# KiCad board nixie.kicad_pcb (continued)
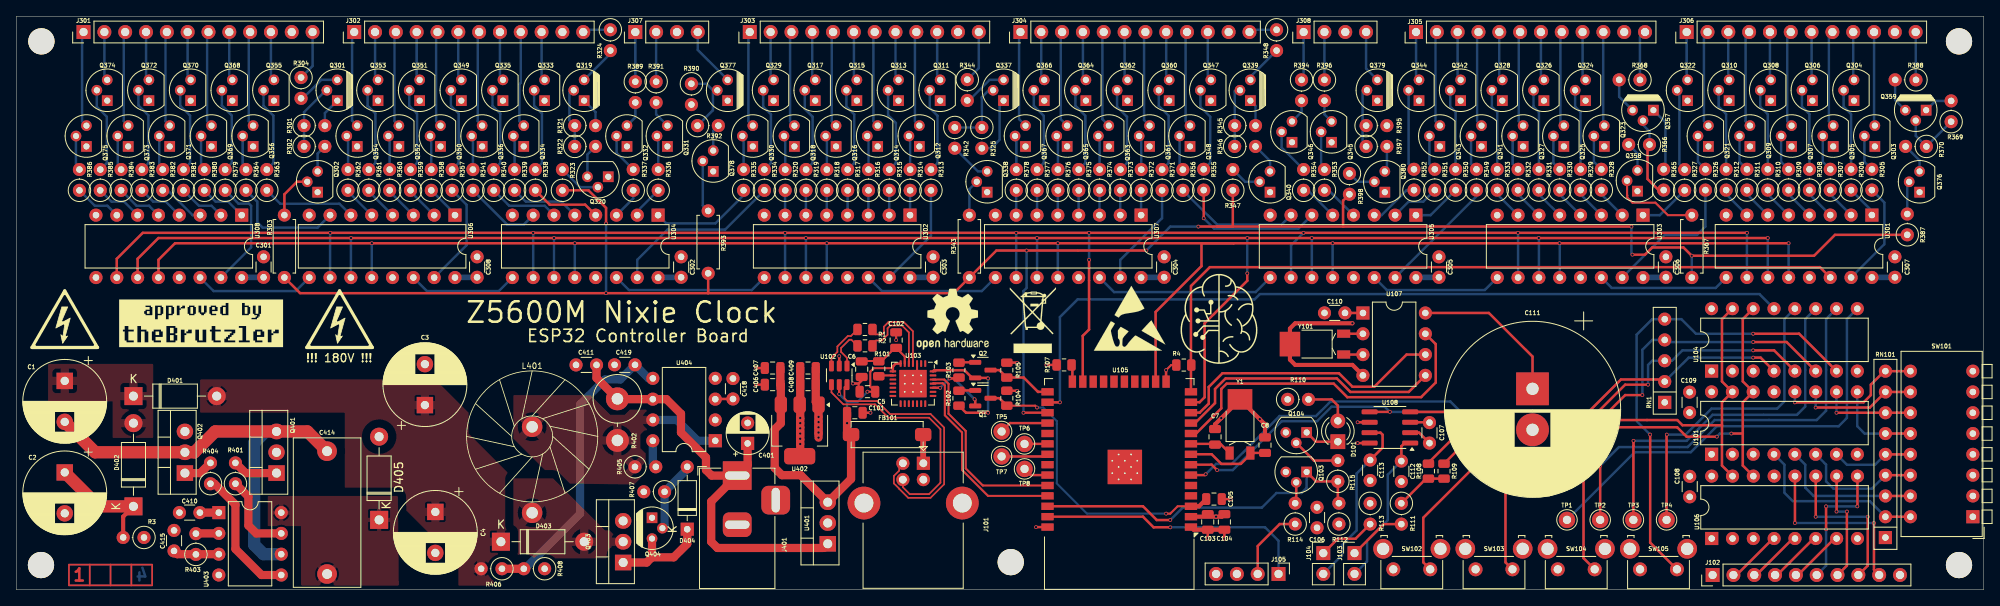
[diagram p0: board, top side]
## Library data of the parts
C1-C4 C401 = -: Description: Polarized capacitor; ki_fp_filters: CP_*
C5-C8 C101-C110 C112 C113 C406-C409 = -: ki_fp_filters: C_*
C111 = -: Datasheet: https://www.reichelt.de/superkondensator-coin-type-1-0-f-3-6-v-1000-h-ko-dclt3r6105cf-p244458.html?&trstct=pol_5&nbc=1; Description: Polarized capacitor; ki_fp_filters: CP_*
C301-C308 C410 C411 C414 C415 C418 C419 = -: Description: Unpolarized capacitor; ki_fp_filters: C_*
D101 = -: Description: Light emitting diode; ki_fp_filters: LED* LED_SMD:* LED_THT:*
D401-D403 D405 = -: Datasheet: http://www.vishay.com/docs/88503/1n4001.pdf; Description: 1000V 1A General Purpose Rectifier Diode, DO-41; Sim.Device: D; Sim.Pins: 1=K 2=A; ki_fp_filters: D*DO?41*
D404 = -: Datasheet: https://assets.nexperia.com/documents/data-sheet/1N4148_1N4448.pdf; Description: 100V 0.15A standard switching diode, DO-35; Sim.Device: D; Sim.Pins: 1=K 2=A; ki_fp_filters: D*DO?35*
FB101 = -: ki_fp_filters: Inductor_* L_* *Ferrite*
J101 = -: ki_fp_filters: USB*
J102 = -: Description: Generic connector, single row, 01x10, script generated (kicad-library-utils/schlib/autogen/connector/); ki_fp_filters: Connector*:*_1x??_*
J103 J104 = -: Description: Generic connector, single row, 01x02, script generated (kicad-library-utils/schlib/autogen/connector/); ki_fp_filters: Connector*:*_1x??_*
J105 = -: ki_fp_filters: Connector*:*_1x??_*
J301-J306 = -: Description: Generic connector, single row, 01x12, script generated (kicad-library-utils/schlib/autogen/connector/); ki_fp_filters: Connector*:*_1x??_*
J307 J308 = -: Description: Generic connector, single row, 01x04, script generated (kicad-library-utils/schlib/autogen/connector/); ki_fp_filters: Connector*:*_1x??_*
J401 = -: Description: DC Barrel Jack; ki_fp_filters: BarrelJack*
L401 = -: Description: Inductor; ki_fp_filters: Choke_* *Coil* Inductor_* L_*
Q1 Q2 = -: Datasheet: https://assets.nexperia.com/documents/data-sheet/BC846_SER.pdf; Description: 0.1A Ic, 65V Vce, NPN Transistor, SOT-23; ki_fp_filters: SOT?23*
Q103 Q104 = -: Datasheet: https://www.onsemi.com/pub/Collateral/BC550-D.pdf; Description: 0.1A Ic, 65V Vce, Small Signal NPN Transistor, TO-92; ki_fp_filters: TO?92*
Q301 Q319 Q337 Q339 Q357 Q359 Q377 Q379 = -: Datasheet: http://www.onsemi.com/pub_link/Collateral/MPSA92-D.PDF; Description: 0.5A Ic, 300V Vce, PNP High Voltage Transistor, TO-92; ki_fp_filters: TO?92*
Q302-Q318 Q320-Q336 Q338 Q340-Q356 Q358 Q360-Q376 Q378 Q380 = -: Datasheet: http://www.onsemi.com/pub_link/Collateral/MPSA42-D.PDF; Description: 0.5A Ic, 300V Vce, NPN High Voltage Transistor, TO-92; ki_fp_filters: TO?92*
Q401-Q403 = -: Datasheet: http://www.vishay.com/docs/91054/91054.pdf; Description: 10A Id, 400V Vds, N-Channel Power MOSFET, 500mOhm Rds, TO-220AB; ki_fp_filters: TO?220*
Q404 = -: Datasheet: https://www.onsemi.com/pub/Collateral/BC556BTA-D.pdf; Description: 0.1A Ic, 65V Vce, PNP Small Signal Transistor, TO-92; ki_fp_filters: TO?92*
R1 R2 R4 R101-R105 R107-R115 = -: ki_fp_filters: R_*
R3 R301-R398 R401-R408 = -: Description: Resistor; ki_fp_filters: R_*
RN1 = -: Datasheet: http://www.vishay.com/docs/31509/csc.pdf; Description: 4 resistor network, star topology, bussed resistors, small symbol; ki_fp_filters: R?Array?SIP*
RN101 = -: Datasheet: http://www.vishay.com/docs/31509/csc.pdf; Description: 8 resistor network, star topology, bussed resistors, small symbol; ki_fp_filters: R?Array?SIP*
SW101 = -: Description: 8x DIP Switch, Single Pole Single Throw (SPST) switch, small symbol; ki_fp_filters: SW?DIP?x8*
SW102-SW105 = -: Description: Single Pole Single Throw (SPST) switch
TP1-TP8 = -: Description: test point; ki_fp_filters: Pin* Test*
U101 U104 U106 = -: Datasheet: http://www.nxp.com/docs/en/data-sheet/PCF8574_PCF8574A.pdf; Description: 8 Bit Port/Expander to I2C Bus, DIP/SOIC-16; ki_fp_filters: DIP*W7.62mm* SOIC*7.5x10.3mm*P1.27mm*
U102 = -: Datasheet: https://www.st.com/resource/en/datasheet/usblc6-2.pdf; ki_fp_filters: SOT?23*
U103 = -: Datasheet: https://www.silabs.com/documents/public/data-sheets/cp2102n-datasheet.pdf; ki_fp_filters: QFN*1EP*5x5mm*P0.5mm*
U105 = -: Datasheet: https://www.espressif.com/sites/default/files/documentation/esp32-wroom-32_datasheet_en.pdf; ki_fp_filters: ESP32?WROOM?32*
U107 = -: Datasheet: https://datasheets.maximintegrated.com/en/ds/DS1302.pdf; Description: Trickle-Charge Timekeeping Chip, 2.0V to 5.5V VCC, 0°C to +70°C, DIP-8; ki_fp_filters: DIP*W7.62mm*
U108 = -: Datasheet: http://ww1.microchip.com/downloads/en/DeviceDoc/22226a.pdf; Description: 16-Bit, Multi-Channel ΔΣ Analog-to-Digital Converter with I2C Interface and On-Board Reference, SOIC-8; ki_fp_filters: SOIC*3.9x4.9mm*P1.27mm*
U301-U308 = -: Datasheet: http://www.ti.com/lit/ds/symlink/sn74hc595.pdf; Description: 8-bit serial in/out Shift Register 3-State Outputs; ki_fp_filters: DIP*W7.62mm* SOIC*3.9x9.9mm*P1.27mm* TSSOP*4.4x5mm*P0.65mm* SOIC*5.3x10.2mm*P1.27mm* SOIC*7.5x10.3mm*P1.27mm*
U401 = -: Datasheet: http://www.st.com/content/ccc/resource/technical/document/datasheet/41/4f/b3/b0/12/d4/47/88/CD00000444.pdf/files/CD00000444.pdf/jcr:content/translations/en.CD00000444.pdf; ki_fp_filters: TO?252* TO?263* TO?220*
U402 = -: Datasheet: http://www.advanced-monolithic.com/pdf/ds1117.pdf; ki_fp_filters: SOT?223*TabPin2*
U403 = -: Datasheet: https://www.infineon.com/dgdl/ir2153.pdf?fileId=5546d462533600a4015355c8c5fc16af; Description: Self-Oscillating Half-Bridge Driver, 600V, PDIP-8/SOIC-8; ki_fp_filters: SOIC*3.9x4.9mm*P1.27mm* DIP*W7.62mm*
U404 = -: Datasheet: http://www.onsemi.com/pub_link/Collateral/MC34063A-D.PDF; Description: 1.5A, step-up/down/inverting switching regulator, 3-40V Vin, 100kHz, DIP-8; ki_fp_filters: DIP*W7.62mm*
Y1 Y101 = -: Description: Three pin crystal, GND on pin 3; ki_fp_filters: Crystal*

## Footprints (pads in the part's own frame, mm; a bottom-side part is the same pattern mirrored in y, then rotated)
BarrelJack_Horizontal
  rect 3.5x3.5 hole 1x3: 1(0,0)
  rrect 3x3.5 hole 1x3: 2(-6,0)
  rrect 3.5x3.5 hole 3x1: 3(-3,-4.7)
C_0805_2012Metric
  rrect 1x1.45 smd: 1(-0.95,0) 2(0.95,0)
C_Disc_D3.0mm_W1.6mm_P2.50mm
  round 1.6 hole 0.8: 1(0,0) 2(2.5,0)
C_Rect_L18.0mm_W8.0mm_P15.00mm_FKS3_FKP3
  round 2.4 hole 1.2: 1(0,0) 2(15,0)
CP_Radial_D5.0mm_P2.50mm
  rect 1.6x1.6 hole 0.8: 1(0,0)
  round 1.6 hole 0.8: 2(2.5,0)
CP_Radial_D10.0mm_P5.00mm
  rect 2x2 hole 1: 1(0,0)
  round 2 hole 1: 2(5,0)
CP_Radial_D21.5mm_P5.00mm
  rect 4x4 hole 1.5: 1(-2.5,0)
  round 4 hole 1.5: 2(2.5,0)
Crystal_SMD_MicroCrystal_MS1V-T1K
  rect 1x1.6 smd: 1(-1.27,3.5) 2(1.27,3.5)
  rect 3x2.5 smd: 3(0,-3.05)
D_DO-35_SOD27_P7.62mm_Horizontal
  rect 1.6x1.6 hole 0.8: 1(0,0)
  oval 1.6x1.6 hole 0.8: 2(7.62,0)
D_DO-41_SOD81_P10.16mm_Horizontal
  rect 2.2x2.2 hole 1.1: 1(0,0)
  oval 2.2x2.2 hole 1.1: 2(10.16,0)
DIP-8_W7.62mm
  rect 1.6x1.6 hole 0.8: 1(0,0)
  oval 1.6x1.6 hole 0.8: 2(0,-2.54) 3(0,-5.08) 4(0,-7.62) 5(7.62,-7.62) 6(7.62,-5.08) 7(7.62,-2.54) 8(7.62,0)
DIP-16_W7.62mm
  rect 1.6x1.6 hole 0.8: 1(0,0)
  oval 1.6x1.6 hole 0.8: 2(0,-2.54) 3(0,-5.08) 4(0,-7.62) 5(0,-10.16) 6(0,-12.7) 7(0,-15.24) 8(0,-17.78) 9(7.62,-17.78) 10(7.62,-15.24) 11(7.62,-12.7) 12(7.62,-10.16) 13(7.62,-7.62) 14(7.62,-5.08) 15(7.62,-2.54) 16(7.62,0)
ESP32-WROOM-32
  rect 1.5x0.9 smd: 1(-8.75,8.25) 2(-8.75,6.98) 3(-8.75,5.71) 4(-8.75,4.44) 5(-8.75,3.17) 6(-8.75,1.9) 7(-8.75,0.63) 8(-8.75,-0.64) 9(-8.75,-1.91) 10(-8.75,-3.18) 11(-8.75,-4.45) 12(-8.75,-5.72) 13(-8.75,-6.99) 14(-8.75,-8.26) 25(8.75,-8.26) 26(8.75,-6.99) 27(8.75,-5.72) 28(8.75,-4.45) 29(8.75,-3.18) 30(8.75,-1.91) 31(8.75,-0.64) 32(8.75,0.63) 33(8.75,1.9) 34(8.75,3.17) 35(8.75,4.44) 36(8.75,5.71) 37(8.75,6.98) 38(8.75,8.25)
  rect 0.9x1.5 smd: 15(-5.71,-9.51) 16(-4.44,-9.51) 17(-3.17,-9.51) 18(-1.9,-9.51) 19(-0.63,-9.51) 20(0.64,-9.51) 21(1.91,-9.51) 22(3.18,-9.51) 23(4.45,-9.51) 24(5.72,-9.51)
  rect 1.05x1.05 smd: 39(-2.205,2.435) 39(-2.205,0.91) 39(-2.205,-0.615) 39(-0.68,2.435) 39(-0.68,0.91) 39(-0.68,-0.615) 39(0.845,2.435) 39(0.845,0.91) 39(0.845,-0.615)
  round 0.6 hole 0.2: 39(-2.205,1.673) 39(-2.205,0.147) 39(-1.442,2.435) 39(-1.442,0.91) 39(-1.442,-0.615) 39(-0.68,1.673) 39(-0.68,0.147) 39(0.083,2.435) 39(0.083,0.91) 39(0.083,-0.615) 39(0.845,1.673) 39(0.845,0.147)
  rect 4.2x4.2 smd: 39(-0.68,0.91)
FT50-43
  round 2.5 hole 1.4: 1(0,0) 2(10.5,0)
LED_D3.0mm
  rect 1.8x1.8 hole 0.9: 1(0,0)
  round 1.8 hole 0.9: 2(2.54,0)
MountingHole_3.2mm_M3_DIN965
  round 3.2 hole 3.2 unplated: (0,0)
Pin_D1.0mm_L10.0mm
  round 2 hole 1: 1(0,0)
PinHeader_1x02_P2.54mm_Vertical
  rect 1.7x1.7 hole 1: 1(0,0)
  oval 1.7x1.7 hole 1: 2(0,-2.54)
PinHeader_1x04_P2.54mm_Vertical
  rect 1.7x1.7 hole 1: 1(0,0)
  oval 1.7x1.7 hole 1: 2(0,-2.54) 3(0,-5.08) 4(0,-7.62)
PinHeader_1x10_P2.54mm_Vertical
  rect 1.7x1.7 hole 1: 1(0,0)
  oval 1.7x1.7 hole 1: 2(0,-2.54) 3(0,-5.08) 4(0,-7.62) 5(0,-10.16) 6(0,-12.7) 7(0,-15.24) 8(0,-17.78) 9(0,-20.32) 10(0,-22.86)
PinHeader_1x12_P2.54mm_Vertical
  rect 1.7x1.7 hole 1: 1(0,0)
  oval 1.7x1.7 hole 1: 2(0,-2.54) 3(0,-5.08) 4(0,-7.62) 5(0,-10.16) 6(0,-12.7) 7(0,-15.24) 8(0,-17.78) 9(0,-20.32) 10(0,-22.86) 11(0,-25.4) 12(0,-27.94)
QFN-28-1EP_5x5mm_P0.5mm_EP3.35x3.35mm_ThermalVias
  custom 0.544x0.544 smd: (-1.337,1.337) (-1.337,-1.337) (1.337,1.337) (1.337,-1.337)
  custom 0.544x0.806 smd: (-1.337,0.5) (-1.337,-0.5) (1.337,0.5) (1.337,-0.5)
  custom 0.806x0.544 smd: (-0.5,1.337) (-0.5,-1.337) (0.5,1.337) (0.5,-1.337)
  rrect 0.806x0.806 smd: (-0.5,0.5) (-0.5,-0.5) (0.5,0.5) (0.5,-0.5)
  rrect 0.8x0.25 smd: 1(-2.45,1.5) 2(-2.45,1) 3(-2.45,0.5) 4(-2.45,0) 5(-2.45,-0.5) 6(-2.45,-1) 7(-2.45,-1.5) 15(2.45,-1.5) 16(2.45,-1) 17(2.45,-0.5) 18(2.45,0) 19(2.45,0.5) 20(2.45,1) 21(2.45,1.5)
  rrect 0.25x0.8 smd: 8(-1.5,-2.45) 9(-1,-2.45) 10(-0.5,-2.45) 11(0,-2.45) 12(0.5,-2.45) 13(1,-2.45) 14(1.5,-2.45) 22(1.5,2.45) 23(1,2.45) 24(0.5,2.45) 25(0,2.45) 26(-0.5,2.45) 27(-1,2.45) 28(-1.5,2.45)
  round 0.5 hole 0.2: 29(-1,1) 29(-1,0) 29(-1,-1) 29(0,1) 29(0,0) 29(0,-1) 29(1,1) 29(1,0) 29(1,-1)
  rect 2.5x2.5 smd far side: 29(0,0)
  rect 3.35x3.35 smd: 29(0,0)
R_0805_2012Metric
  rrect 1.025x1.4 smd: 1(-0.912,0) 2(0.912,0)
R_Array_SIP5
  rect 1.6x1.6 hole 0.8: 1(0,0)
  oval 1.6x1.6 hole 0.8: 2(2.54,0) 3(5.08,0) 4(7.62,0) 5(10.16,0)
R_Array_SIP9
  rect 1.6x1.6 hole 0.8: 1(0,0)
  oval 1.6x1.6 hole 0.8: 2(2.54,0) 3(5.08,0) 4(7.62,0) 5(10.16,0) 6(12.7,0) 7(15.24,0) 8(17.78,0) 9(20.32,0)
R_Axial_DIN0207_L6.3mm_D2.5mm_P2.54mm_Vertical
  round 1.6 hole 0.8: 1(0,0)
  oval 1.6x1.6 hole 0.8: 2(2.54,0)
R_Axial_DIN0207_L6.3mm_D2.5mm_P7.62mm_Horizontal
  round 1.6 hole 0.8: 1(0,0)
  oval 1.6x1.6 hole 0.8: 2(7.62,0)
R_Axial_DIN0614_L14.3mm_D5.7mm_P5.08mm_Vertical
  round 2.8 hole 1.4: 1(0,0)
  oval 2.8x2.8 hole 1.4: 2(5.08,0)
SMB-002
  rrect 2x1.6 smd: 1(4.4,0) 2(-4.4,0)
SOIC-8_3.9x4.9mm_P1.27mm
  rrect 1.95x0.6 smd: 1(-2.475,1.905) 2(-2.475,0.635) 3(-2.475,-0.635) 4(-2.475,-1.905) 5(2.475,-1.905) 6(2.475,-0.635) 7(2.475,0.635) 8(2.475,1.905)
SOT-23
  rrect 1.475x0.6 smd: 1(-0.938,0.95) 2(-0.938,-0.95) 3(0.938,0)
SOT-23-6
  rrect 1.325x0.6 smd: 1(-1.137,0.95) 2(-1.137,0) 3(-1.137,-0.95) 4(1.137,-0.95) 5(1.137,0) 6(1.137,0.95)
SOT-223-3_TabPin2
  rrect 2x1.5 smd: 1(-3.15,2.3) 2(-3.15,0) 3(-3.15,-2.3)
  rrect 2x3.8 smd: 2(3.15,0)
SW_DIP_SPSTx08_Piano_CTS_Series194-8MSTN_W7.62mm_P2.54mm
  rect 1.6x1.6 hole 0.8: 1(0,0)
  oval 1.6x1.6 hole 0.8: 2(0,-2.54) 3(0,-5.08) 4(0,-7.62) 5(0,-10.16) 6(0,-12.7) 7(0,-15.24) 8(0,-17.78) 9(7.62,-17.78) 10(7.62,-15.24) 11(7.62,-12.7) 12(7.62,-10.16) 13(7.62,-7.62) 14(7.62,-5.08) 15(7.62,-2.54) 16(7.62,0)
SW_SPST_Omron_B3F-315x_Angled
  round 2.4 hole 1.5: (-1.25,-2.5) (5.75,-2.5)
  round 1.7 hole 1: 1(0,0) 2(4.5,0)
TO-92
  rect 1.3x1.3 hole 0.75: 1(0,0)
  round 1.3 hole 0.75: 2(1.27,1.27) 3(2.54,0)
TO-220-3_Vertical
  rect 1.905x2 hole 1.1: 1(0,0)
  oval 1.905x2 hole 1.1: 2(2.54,0) 3(5.08,0)
USB_B_Lumberg_2411_02_Horizontal
  rect 1.6x1.6 hole 0.95: 1(0,0)
  round 1.6 hole 0.95: 2(0,-2.5) 3(2,-2.5) 4(2,0)
  round 4 hole 2.3: 5(4.86,4.75) 5(4.86,-7.25)

## Nets
+3V3: C103.1 C104.1 C106.1 C107.1 C108.1 C109.1 C110.1 C301.1 C302.1 C303.1 C304.1 C305.1 C306.1 C307.1 C308.1 C408.1 C409.1 J102.1 J105.4 R104.1 R105.1 R108.1 R109.1 R110.1 R111.1 R112.1 R113.1 RN1.1 RN101.1 U101.16 U104.1 U104.16 U105.2 U106.2 U106.16 U107.1 U108.3 U301.16 U302.16 U303.16 U304.16 U305.16 U306.16 U307.16 U308.16 U402.2
+5V: C5.1 C101.1 C406.1 C407.1 FB101.2 U102.5 U103.7 U103.8 U401.3 U402.3
+12V: C401.1 C410.1 C411.1 D405.2 J401.1 R402.1 U401.1 U403.1 U404.6
+90V: C3.1 C4.1 D401.2 D403.1 Q401.2 R406.2
+180V: C2.1 D402.1 Q301.1 Q319.1 Q337.1 Q339.1 Q357.1 Q359.1 Q377.1 Q379.1 R3.2 R301.2 R321.2 R325.2 R345.2 R365.2 R369.2 R390.2 R395.2
GND: C2.2 C3.2 C4.2 C5.2 C6.2 C7.2 C8.2 C101.2 C102.2 C103.2 C104.2 C105.2 C106.2 C107.2 C108.2 C109.2 C110.2 C111.2 C112.2 C113.2 C301.2 C302.2 C303.2 C304.2 C305.2 C306.2 C307.2 C308.2 C401.2 C406.2 C407.2 C408.2 C409.2 C410.2 C411.2 C415.2 C418.2 C419.2 J101.4 J101.5 J102.10 J105.3 J401.2 Q103.3 Q104.3 Q302.1 Q303.1 Q304.1 Q305.1 Q306.1 Q307.1 Q308.1 Q309.1 Q310.1 Q311.1 Q312.1 Q313.1 Q314.1 Q315.1 Q316.1 Q317.1 Q318.1 Q320.1 Q321.1 Q322.1 Q323.1 Q324.1 Q325.1 Q326.1 Q327.1 Q328.1 Q329.1 Q330.1 Q331.1 Q332.1 Q333.1 Q334.1 Q335.1 Q336.1 Q338.1 Q340.1 Q341.1 Q342.1 Q343.1 Q344.1 Q345.1 Q346.1 Q347.1 Q348.1 Q349.1 Q350.1 Q351.1 Q352.1 Q353.1 Q354.1 Q355.1 Q356.1 Q358.1 Q360.1 Q361.1 Q362.1 Q363.1 Q364.1 Q365.1 Q366.1 Q367.1 Q368.1 Q369.1 Q370.1 Q371.1 Q372.1 Q373.1 Q374.1 Q375.1 Q376.1 Q378.1 Q380.1 Q402.3 Q403.3 Q404.1 R3.1 R4.2 R107.2 R407.2 R408.1 SW101.1 SW101.2 SW101.3 SW101.4 SW101.5 SW101.6 SW101.7 SW101.8 SW102.2 SW103.2 SW104.2 SW105.2 U101.1 U101.2 U101.3 U101.8 U102.2 U103.3 U103.29 U104.2 U104.3 U104.8 U105.1 U105.15 U105.38 U105.39 U106.1 U106.3 U106.8 U107.4 U108.2 U108.6 U108.8 U301.8 U301.13 U302.8 U302.13 U303.8 U303.13 U304.8 U304.13 U305.8 U305.13 U306.8 U306.13 U307.8 U307.13 U308.8 U308.13 U401.2 U402.1 U403.4 U404.4 Y1.3 Y101.3
/32k_1: C8.1 U105.8 Y1.1
/32k_2: C7.1 U105.9 Y1.2
/A2: U105.29
/D+: R2.2 U102.3
/D-: R1.1 U102.1
/DAT: R4.1 U105.14 U301.14
/DN: J101.2 U102.6
/DP: J101.3 U102.4
/Nixie Driver/Anode1: J301.12 R304.1
/Nixie Driver/Anode2: J302.12 R324.1
/Nixie Driver/Anode3: J303.12 R344.1
/Nixie Driver/Anode4: J304.12 R348.1
/Nixie Driver/Anode5: J305.12 R368.1
/Nixie Driver/Anode6: J306.12 R388.1
/Nixie Driver/Anode7: J307.4 Q377.3
/Nixie Driver/Anode8: J308.4 Q379.3
/PWM: R303.1 R323.1 R343.1 R347.1 R367.1 R387.1 R393.2 R398.2 U105.27
/RCLK: U105.16 U301.12 U302.12 U303.12 U304.12 U305.12 U306.12 U307.12 U308.12
/SCLK: U105.13 U301.11 U302.11 U303.11 U304.11 U305.11 U306.11 U307.11 U308.11
/~{SCLR}: U105.23 U301.10 U302.10 U303.10 U304.10 U305.10 U306.10 U307.10 U308.10
Bit0: J301.1 Q375.3
Bit1: J301.2 Q374.3
Bit2: J301.3 Q373.3
Bit3: J301.4 Q372.3
Bit4: J301.5 Q371.3
Bit5: J301.6 Q370.3
Bit6: J301.7 Q369.3
Bit7: J301.8 Q368.3
Bit8: J301.9 Q356.3
Bit9: J301.10 Q355.3
Bit10: J302.1 Q354.3
Bit11: J302.2 Q353.3
Bit12: J302.3 Q352.3
Bit13: J302.4 Q351.3
Bit14: J302.5 Q350.3
Bit15: J302.6 Q349.3
Bit16: J302.7 Q336.3
Bit17: J302.8 Q335.3
Bit18: J302.9 Q334.3
Bit19: J302.10 Q333.3
Bit20: Q332.3 R389.2
Bit21: Q331.3 R391.2
Bit22: J303.1 Q330.3
Bit23: J303.2 Q329.3
Bit24: J303.3 Q318.3
Bit25: J303.4 Q317.3
Bit26: J303.5 Q316.3
Bit27: J303.6 Q315.3
Bit28: J303.7 Q314.3
Bit29: J303.8 Q313.3
Bit30: J303.9 Q312.3
Bit31: J303.10 Q311.3
Bit32: J304.1 Q367.3
Bit33: J304.2 Q366.3
Bit34: J304.3 Q365.3
Bit35: J304.4 Q364.3
Bit36: J304.5 Q363.3
Bit37: J304.6 Q362.3
Bit38: J304.7 Q361.3
Bit39: J304.8 Q360.3
Bit40: J304.9 Q348.3
Bit41: J304.10 Q347.3
Bit42: Q346.3 R394.2
Bit43: Q345.3 R396.2
Bit44: J305.1 Q344.3
Bit45: J305.2 Q343.3
Bit46: J305.3 Q342.3
Bit47: J305.4 Q341.3
Bit48: J305.5 Q328.3
Bit49: J305.6 Q327.3
Bit50: J305.7 Q326.3
Bit51: J305.8 Q325.3
Bit52: J305.9 Q324.3
Bit53: J305.10 Q323.3
Bit54: J306.1 Q322.3
Bit55: J306.2 Q321.3
Bit56: J306.3 Q310.3
Bit57: J306.4 Q309.3
Bit58: J306.5 Q308.3
Bit59: J306.6 Q307.3
Bit60: J306.7 Q306.3
Bit61: J306.8 Q305.3
Bit62: J306.9 Q304.3
Bit63: J306.10 Q303.3
CE1: U105.11 U107.5
DCF_EN: J105.1 U105.37
DCF_SIG: Q103.1 R112.2 R115.1 U105.36
FB: C419.1 R406.1 R408.2 U404.5
GPIO0: Q2.3 R105.2 U105.25
I/O: U105.12 U107.6
INT: U104.13 U105.26
RTC_CLK: U105.10 U107.7
RxD: U103.26 U105.34
SCL: R109.2 U101.14 U104.14 U105.7 U106.14 U108.5
SDA: R108.2 U101.15 U104.15 U105.6 U106.15 U108.4
TxD: U103.25 U105.35
~{EN}: C105.1 Q1.3 R104.2 U105.3
Net-(D101-A): D101.2 R110.2
Net-(D101-K): D101.1 Q104.1
Net-(D401-K): C1.1 D401.1 D402.2
Net-(D403-A): D403.2 L401.2 Q403.2
Net-(D404-A): D404.2 Q404.2 R407.1 U404.2
Net-(D404-K): D404.1 Q403.1 Q404.3
Net-(D405-K): C414.1 D405.1 U403.8
Net-(J101-VBUS): FB101.1 J101.1
Net-(J102-Pin_2): J102.2 U106.4
Net-(J102-Pin_3): J102.3 U106.5
Net-(J102-Pin_4): J102.4 U106.6
Net-(J102-Pin_5): J102.5 U106.7
Net-(J102-Pin_6): J102.6 U106.9
Net-(J102-Pin_7): J102.7 U106.10
Net-(J102-Pin_8): J102.8 U106.11
Net-(J102-Pin_9): J102.9 U106.12
Net-(J103-Pin_1): J103.1 R111.2
Net-(J103-Pin_2): C112.1 J103.2 U108.1
Net-(J104-Pin_1): J104.1 R113.2
Net-(J104-Pin_2): C113.1 J104.2 U108.7
Net-(J105-Pin_2): J105.2 R114.1
Net-(J307-Pin_1): J307.1 R389.1
Net-(J307-Pin_2): J307.2 R391.1
Net-(J308-Pin_1): J308.1 R394.1
Net-(J308-Pin_2): J308.2 R396.1
Net-(Q1-B): Q1.1 R102.2
Net-(Q1-E): Q1.2 R103.1 U103.24
Net-(Q2-B): Q2.1 R103.2
Net-(Q2-E): Q2.2 R102.1 U103.28
Net-(Q103-B): Q103.2 R114.2
Net-(Q104-B): Q104.2 R115.2
Net-(Q301-B): Q301.2 R301.1 R302.1
Net-(Q301-C): Q301.3 R304.2
Net-(Q302-B): Q302.2 R303.2
Net-(Q302-C): Q302.3 R302.2
Net-(Q303-B): Q303.2 R305.2
Net-(Q304-B): Q304.2 R306.2
Net-(Q305-B): Q305.2 R307.2
Net-(Q306-B): Q306.2 R308.2
Net-(Q307-B): Q307.2 R309.2
Net-(Q308-B): Q308.2 R310.2
Net-(Q309-B): Q309.2 R311.2
Net-(Q310-B): Q310.2 R312.2
Net-(Q311-B): Q311.2 R313.2
Net-(Q312-B): Q312.2 R314.2
Net-(Q313-B): Q313.2 R315.2
Net-(Q314-B): Q314.2 R316.2
Net-(Q315-B): Q315.2 R317.2
Net-(Q316-B): Q316.2 R318.2
Net-(Q317-B): Q317.2 R319.2
Net-(Q318-B): Q318.2 R320.2
Net-(Q319-B): Q319.2 R321.1 R322.1
Net-(Q319-C): Q319.3 R324.2
Net-(Q320-B): Q320.2 R323.2
Net-(Q320-C): Q320.3 R322.2
Net-(Q321-B): Q321.2 R326.2
Net-(Q322-B): Q322.2 R327.2
Net-(Q323-B): Q323.2 R328.2
Net-(Q324-B): Q324.2 R329.2
Net-(Q325-B): Q325.2 R330.2
Net-(Q326-B): Q326.2 R331.2
Net-(Q327-B): Q327.2 R332.2
Net-(Q328-B): Q328.2 R333.2
Net-(Q329-B): Q329.2 R334.2
Net-(Q330-B): Q330.2 R335.2
Net-(Q331-B): Q331.2 R336.2
Net-(Q332-B): Q332.2 R337.2
Net-(Q333-B): Q333.2 R338.2
Net-(Q334-B): Q334.2 R339.2
Net-(Q335-B): Q335.2 R340.2
Net-(Q336-B): Q336.2 R341.2
Net-(Q337-B): Q337.2 R325.1 R342.1
Net-(Q337-C): Q337.3 R344.2
Net-(Q338-B): Q338.2 R343.2
Net-(Q338-C): Q338.3 R342.2
Net-(Q339-B): Q339.2 R345.1 R346.1
Net-(Q339-C): Q339.3 R348.2
Net-(Q340-B): Q340.2 R347.2
Net-(Q340-C): Q340.3 R346.2
Net-(Q341-B): Q341.2 R349.2
Net-(Q342-B): Q342.2 R350.2
Net-(Q343-B): Q343.2 R351.2
Net-(Q344-B): Q344.2 R352.2
Net-(Q345-B): Q345.2 R353.2
Net-(Q346-B): Q346.2 R354.2
Net-(Q347-B): Q347.2 R355.2
Net-(Q348-B): Q348.2 R356.2
Net-(Q349-B): Q349.2 R357.2
Net-(Q350-B): Q350.2 R358.2
Net-(Q351-B): Q351.2 R359.2
Net-(Q352-B): Q352.2 R360.2
Net-(Q353-B): Q353.2 R361.2
Net-(Q354-B): Q354.2 R362.2
Net-(Q355-B): Q355.2 R363.2
Net-(Q356-B): Q356.2 R364.2
Net-(Q357-B): Q357.2 R365.1 R366.1
Net-(Q357-C): Q357.3 R368.2
Net-(Q358-B): Q358.2 R367.2
Net-(Q358-C): Q358.3 R366.2
Net-(Q359-B): Q359.2 R369.1 R370.1
Net-(Q359-C): Q359.3 R388.2
Net-(Q360-B): Q360.2 R371.2
Net-(Q361-B): Q361.2 R372.2
Net-(Q362-B): Q362.2 R373.2
Net-(Q363-B): Q363.2 R374.2
Net-(Q364-B): Q364.2 R375.2
Net-(Q365-B): Q365.2 R376.2
Net-(Q366-B): Q366.2 R377.2
Net-(Q367-B): Q367.2 R378.2
Net-(Q368-B): Q368.2 R379.2
Net-(Q369-B): Q369.2 R380.2
Net-(Q370-B): Q370.2 R381.2
Net-(Q371-B): Q371.2 R382.2
Net-(Q372-B): Q372.2 R383.2
Net-(Q373-B): Q373.2 R384.2
Net-(Q374-B): Q374.2 R385.2
Net-(Q375-B): Q375.2 R386.2
Net-(Q376-B): Q376.2 R387.2
Net-(Q376-C): Q376.3 R370.2
Net-(Q377-B): Q377.2 R390.1 R392.1
Net-(Q378-B): Q378.2 R393.1
Net-(Q378-C): Q378.3 R392.2
Net-(Q379-B): Q379.2 R395.1 R397.1
Net-(Q380-B): Q380.2 R398.1
Net-(Q380-C): Q380.3 R397.2
Net-(Q401-G): Q401.1 R401.2
Net-(Q401-S): C1.2 C414.2 Q401.3 Q402.2 U403.6
Net-(Q402-G): Q402.1 R404.2
Net-(RN1-R1): RN1.2 SW102.1 U104.4
Net-(RN1-R2): RN1.3 SW103.1 U104.5
Net-(RN1-R3): RN1.4 SW104.1 U104.6
Net-(RN1-R4): RN1.5 SW105.1 U104.7
Net-(RN101-R1): RN101.2 SW101.16 U101.4
Net-(RN101-R2): RN101.3 SW101.15 U101.5
Net-(RN101-R3): RN101.4 SW101.14 U101.6
Net-(RN101-R4): RN101.5 SW101.13 U101.7
Net-(RN101-R5): RN101.6 SW101.12 U101.9
Net-(RN101-R6): RN101.7 SW101.11 U101.10
Net-(RN101-R7): RN101.8 SW101.10 U101.11
Net-(RN101-R8): RN101.9 SW101.9 U101.12
Net-(U103-D+): R2.1 U103.4
Net-(U103-D-): R1.2 U103.5
Net-(U103-VDD): C6.1 C102.1 R101.1 U103.6
Net-(U103-~{RST}): R101.2 U103.9
Net-(U104-P4): TP1.1 U104.9
Net-(U104-P5): TP2.1 U104.10
Net-(U104-P6): TP3.1 U104.11
Net-(U104-P7): TP4.1 U104.12
Net-(U105-IO2): R107.1 U105.24
Net-(U105-IO17): TP5.1 U105.28
Net-(U105-IO18): TP6.1 U105.30
Net-(U105-IO19): TP7.1 U105.31
Net-(U105-IO21): TP8.1 U105.33
Net-(U107-VCC1): C111.1 U107.8
Net-(U107-X1): U107.2 Y101.1
Net-(U107-X2): U107.3 Y101.2
Net-(U301-QA): R305.1 U301.15
Net-(U301-QB): R306.1 U301.1
Net-(U301-QC): R307.1 U301.2
Net-(U301-QD): R308.1 U301.3
Net-(U301-QE): R309.1 U301.4
Net-(U301-QF): R310.1 U301.5
Net-(U301-QG): R311.1 U301.6
Net-(U301-QH'): U301.9 U303.14
Net-(U301-QH): R312.1 U301.7
Net-(U302-QA): R313.1 U302.15
Net-(U302-QB): R314.1 U302.1
Net-(U302-QC): R315.1 U302.2
Net-(U302-QD): R316.1 U302.3
Net-(U302-QE): R317.1 U302.4
Net-(U302-QF): R318.1 U302.5
Net-(U302-QG): R319.1 U302.6
Net-(U302-QH'): U302.9 U304.14
Net-(U302-QH): R320.1 U302.7
Net-(U302-SER): U302.14 U307.9
Net-(U303-QA): R326.1 U303.15
Net-(U303-QB): R327.1 U303.1
Net-(U303-QC): R328.1 U303.2
Net-(U303-QD): R329.1 U303.3
Net-(U303-QE): R330.1 U303.4
Net-(U303-QF): R331.1 U303.5
Net-(U303-QG): R332.1 U303.6
Net-(U303-QH'): U303.9 U305.14
Net-(U303-QH): R333.1 U303.7
Net-(U304-QA): R334.1 U304.15
Net-(U304-QB): R335.1 U304.1
Net-(U304-QC): R336.1 U304.2
Net-(U304-QD): R337.1 U304.3
Net-(U304-QE): R338.1 U304.4
Net-(U304-QF): R339.1 U304.5
Net-(U304-QG): R340.1 U304.6
Net-(U304-QH'): U304.9 U306.14
Net-(U304-QH): R341.1 U304.7
Net-(U305-QA): R349.1 U305.15
Net-(U305-QB): R350.1 U305.1
Net-(U305-QC): R351.1 U305.2
Net-(U305-QD): R352.1 U305.3
Net-(U305-QE): R353.1 U305.4
Net-(U305-QF): R354.1 U305.5
Net-(U305-QG): R355.1 U305.6
Net-(U305-QH'): U305.9 U307.14
Net-(U305-QH): R356.1 U305.7
Net-(U306-QA): R357.1 U306.15
Net-(U306-QB): R358.1 U306.1
Net-(U306-QC): R359.1 U306.2
Net-(U306-QD): R360.1 U306.3
Net-(U306-QE): R361.1 U306.4
Net-(U306-QF): R362.1 U306.5
Net-(U306-QG): R363.1 U306.6
Net-(U306-QH'): U306.9 U308.14
Net-(U306-QH): R364.1 U306.7
Net-(U307-QA): R371.1 U307.15
Net-(U307-QB): R372.1 U307.1
Net-(U307-QC): R373.1 U307.2
Net-(U307-QD): R374.1 U307.3
Net-(U307-QE): R375.1 U307.4
Net-(U307-QF): R376.1 U307.5
Net-(U307-QG): R377.1 U307.6
Net-(U307-QH): R378.1 U307.7
Net-(U308-QA): R379.1 U308.15
Net-(U308-QB): R380.1 U308.1
Net-(U308-QC): R381.1 U308.2
Net-(U308-QD): R382.1 U308.3
Net-(U308-QE): R383.1 U308.4
Net-(U308-QF): R384.1 U308.5
Net-(U308-QG): R385.1 U308.6
Net-(U308-QH): R386.1 U308.7
Net-(U403-CT): C415.1 R403.1 U403.3
Net-(U403-HO): R401.1 U403.7
Net-(U403-LO): R404.1 U403.5
Net-(U403-RT): R403.2 U403.2
Net-(U404-DC): R405.2 U404.8
Net-(U404-Ipk): L401.1 R402.2 R405.1 U404.1 U404.7
Net-(U404-TC): C418.1 U404.3

Pads without a net: J301 11; J302 11; J303 11; J304 11; J305 11; J306 11; J307 3; J308 3; J401 3; U101 13; U103 1 2 10 11 12 13 14 15 16 17 18 19 20 21 22 23 27; U105 4 5 17 18 19 20 21 22 32; U106 13; U308 9

## Via types
v1: diameter 0.46, hole 0.3, Top to Bottom, 110 vias

## Routing (per net, layer and track width the routed paths; a pad name or vN(x,y) marks a point on that pad's centre or on a via; arc(x,y) is an arc through that point)
+3V3: length 52.9
  Top w0.3: v1(122.1,27.69) 122.08,27.72 R105.1 ; R109.1 R108.1 171.98,13.55 R111.1 ; R104.1 122.08,24.29 v1(122.1,24.27) ; C107.1 172.36,20.44 U108.3 ; C110.1 162.1,33.78 U107.1 ; 170.22,20.42 170.24,20.4
  Top w0.5: C104.1 147.07,8.91 v1(146.36,8.91) U105.2
  Top w1: U402.2 95.63,16.36 v1(95.63,17.79) v1(95.63,18.42) v1(95.63,19.06) v1(95.63,19.69) v1(95.63,20.33) v1(95.63,20.96) C409.1
  In2.Cu w0.5: J105.4 147.74,3.29 147.76,3.29
  Bottom w0.7: U302.16 109.05,38.14 C303.1 ; C302.1 78.32,38.14 U304.16 ; U303.16 198.48,38.14 C306.1 ; U306.16 53.54,38.14 C308.1 ; U305.16 170.77,38.14 C305.1 ; C301.1 27.52,38.14 U308.16 ; C304.1 137.25,38.14 U307.16 ; 226.37,38.12 226.39,38.14 C307.1
+5V: length 49.5
  Top w0.25: v1(103.83,24.17) C5.1 104.18,24.77 104.18,26.62 104.6,27.04 106.72,27.04 106.93,27.25
  Top w0.3: U103.8 106.93,27.25 107.28,27.6 U103.7 ; v1(100.39,23.88) U102.5
  Top w1: C101.1 v1(101.34,20.33) 101.34,19.42 FB101.2 101.83,13.52 U401.3 95.69,13.98 93.4,13.98 92.51,14.87 92.51,19.57 93.26,20.31 U402.3 93.26,24.98 C406.1 C407.1
  Bottom w0.25: 102.61,22.93 103.83,24.15 v1(103.83,24.17)
  Bottom w0.3: 101.34,22.93 v1(100.39,23.88) ; 101.34,22.93 102.61,22.93 ; 101.34,22.93 v1(101.34,20.33)
+12V: length 119.1
  Top w1: J401.1 89.21,15.2 C401.1 ; J401.1 84.81,13.93 84.13,14.61 84.13,16.14 81.08,19.19 81.08,21.47 79.29,23.26 U404.6 73.36,23.26 R402.1 70.78,25.85 C411.1 ; J401.1 84.77,10.76 84.77,5.85 85.53,5.09 98.48,5.09 U401.1 ; C410.1 U403.1
  In2.Cu w1: U403.1 28.63,9.41 31.17,11.95 39.05,11.95 44.13,17.03 44.13,27.19 47.68,30.74 67.47,30.74 C411.1
+90V: length 11.7
  In2.Cu w1.5: D401.2 24.44,21.01 28.68,16.77 Q401.2
+180V: length 392.5
  Top w0.5: R3.2 13.03,8.92 D402.1
  Top w1.5: D402.1 10.04,10.17 C2.1
  In2.Cu w0.3: R390.2 81.22,59.23 80.19,60.26 80.19,65.16 ; 86.78,59.71 89.31,62.24 89.31,64.75 89.72,65.16 ; 122.99,65.16 122.48,65.16 122.33,65 122.33,61.6 120.43,59.71 ; 72.45,63.52 72.45,60.71 71.44,59.71 69.27,59.71 ; 168.59,65.16 168.05,64.62 168.05,59.7 ; 199.72,58.55 200.72,59.55 200.72,65.16 ; 39.15,59.71 41.05,61.6 41.05,64.75 41.46,65.16 ; 150.55,59.71 150.56,59.7 152.84,59.7 153.85,60.71 153.85,63.52 ; 168.05,59.7 168.05,57.51 R395.2 ; 168.05,59.7 166.05,59.7 166.04,59.71
  In2.Cu w1: C2.1 1.45,18.76 1.45,58.81 7.8,65.16 69.39,65.16 71.03,63.52 73.76,63.52 75.39,65.16 151.15,65.16 152.79,63.52 154.76,63.52 156.39,65.16 233.23,65.16 236.04,62.35 R369.2
  Bottom w0.3: R365.2 201.19,51.54 201.19,57.08 199.72,58.55 ; 232.99,58.55 234.12,59.68 R369.2 ; 120.43,59.71 119.94,59.22 119.94,54.92 118.92,53.9 R325.2 ; 69.27,59.71 70.65,58.32 R321.2 ; R301.2 37.63,58.19 39.15,59.71 ; 150.55,59.71 151.17,59.08 R345.2
GND: length 68.9
  Top w0.25: R4.2 140.88,27.42 v1(140.26,26.81) ; C5.2 102.75,24.3 102.75,25.17 ; C102.2 v1(107.33,30.47) ; U103.3 109.88,26.65 U103.29
  Top w0.3: v1(102.07,25.17) 102.75,25.17 103.18,25.6 ; C105.2 v1(148.14,11.06) ; C107.2 171.12,19.17 U108.2 ; U108.8 v1(163.63,17.9) ; C101.2 v1(104.2,21.6) ; v1(145.34,6.27) C103.2 ; U105.15 140.26,26.8 v1(140.26,26.81) ; U102.2 v1(100.39,28.5) ; v1(124.39,7.63) 124.4,7.64 U105.38 ; U108.6 v1(163.63,20.44) ; C407.2 v1(90.23,27.06) ; C406.2 v1(90.23,25.03) ; R107.2 v1(125.66,27.44) ; C104.2 v1(147.38,6.23)
  Top w0.5: U107.4 163,27.44 156.01,27.44 155.38,28.08 Y101.3 155.38,31.88 156.01,32.52 v1(163,32.52) ; C104.2 143.62,7.31 U105.1 ; C7.2 146.23,20.18 v1(146.99,20.94) Y1.3 149.28,23.23 v1(151.69,20.82) 152.33,20.18 C8.2
  Top w1: v1(97.86,18.56) v1(97.86,19.19) v1(97.86,19.82) v1(97.86,20.46) v1(97.86,21.09) 97.86,22.59 97.53,22.92 C409.2
/32k_1: length 10.2
  Top w0.3: C8.1 150.56,16.69 Y1.1 150.55,16.53 149.38,15.36 147,15.36 145.82,16.53 U105.8
/32k_2: length 5.2
  Top w0.3: U105.9 146.89,17.8 Y1.2
/D+: length 6
  Top w0.2: U102.3 99.44,28.3 100.16,29.03 100.16,29.69 101.44,30.97 101.81,30.97 R2.2
/D-: length 5.2
  Top w0.2: R1.1 101.87,30.52 101.62,30.52 100.61,29.51 100.61,29.03 101.34,28.3 U102.1
/DAT: length 92.4
  Top w0.3: U105.14 143.3,37.08 145.6,39.38 220.03,39.38 221.29,38.12
/DN: length 32.8
  Top w0.2: J101.2 107.7,14.98 107.7,14.54 107.05,13.89 107.05,12.98 107.7,12.33 107.7,12.31 108.8,11.21 111.53,11.21 113.18,12.87 113.18,19.79 111.53,21.44 106.58,21.44 104.99,23.02 101.37,23.02 101.02,23.37 101.02,24.72 U102.6
/DP: length 29.1
  Top w0.2: U102.4 99.44,24.08 100.9,22.62 104.76,22.62 106.39,20.99 111.34,20.99 112.73,19.6 112.73,13.06 111.34,11.66 108.99,11.66 108.15,12.5 J101.3
/Nixie Driver/Anode1: length 6.1
  Bottom w0.3: R304.1 36.13,63.94 36.13,68.09
/Nixie Driver/Anode2: length 3.4
  Bottom w0.3: J302.12 69.43,68.36 R324.1
/Nixie Driver/Anode3: length 6.4
  Bottom w0.3: J303.12 117.41,63.68 R344.1
/Nixie Driver/Anode4: length 3.4
  Bottom w0.3: J304.12 150.71,68.36 R348.1
/Nixie Driver/Anode5: length 6.1
  Bottom w0.3: R368.1 198.08,67.47 J305.12
/Nixie Driver/Anode6: length 5.9
  Bottom w0.3: R388.1 231.71,62.28 J306.12
/Nixie Driver/Anode7: length 7.4
  Bottom w0.3: 86.78,62.25 83.13,65.9 J307.4
/Nixie Driver/Anode8: length 6.4
  Bottom w0.3: J308.4 164.66,63.63 166.04,62.25
/PWM: length 262.6
  Top w0.3: v1(71.94,44.71) 71.94,46.62 69.8,48.76 R323.1 ; R387.1 221.87,43.33 219.32,40.78 v1(204.39,40.78) 203.38,41.79 199.57,41.79 198.68,40.9 v1(197.16,40.9) ; R347.1 148.41,44.33 146.49,44.33 ; v1(122.87,21.6) 122.88,21.61 U105.27 ; R393.2 84.4,36.22 84.38,36.2 ; R398.2 161.85,47.5 161.85,44.33 ; 84.38,36.2 114.36,36.2 R343.1 119.56,41.41 v1(123.25,41.41) v1(137.85,41.41) ; 84.38,36.2 v1(71.94,36.2) 34.61,36.2 R303.1 ; 146.49,44.33 161.85,44.33 ; 146.49,44.33 v1(144.2,44.33) ; 161.85,44.33 v1(197.03,44.33)
  Bottom w0.3: v1(144.2,44.33) 140.77,44.33 v1(137.85,41.41) ; v1(122.87,21.6) 122.87,36.46 123.25,36.84 v1(123.25,41.41) ; v1(197.03,44.33) 197.03,41.03 v1(197.16,40.9) ; v1(204.39,40.78) 204.4,40.77 R367.1 ; v1(71.94,44.71) v1(71.94,36.2)
